# Altium PCB LST_UP.PcbDoc (part 4 of 5)
Units mil, origin at the board's own origin, x right, y up, seen from the top; angles counter-clockwise.
Board outline 4330.71 x 4330.71 mil, 2 copper layers (Top Layer, Bottom Layer), stack 50 mil thick; 469 components, 244 nets, 1341 pads, 130 vias.
Unrouted connection lines stored in the file: 12.
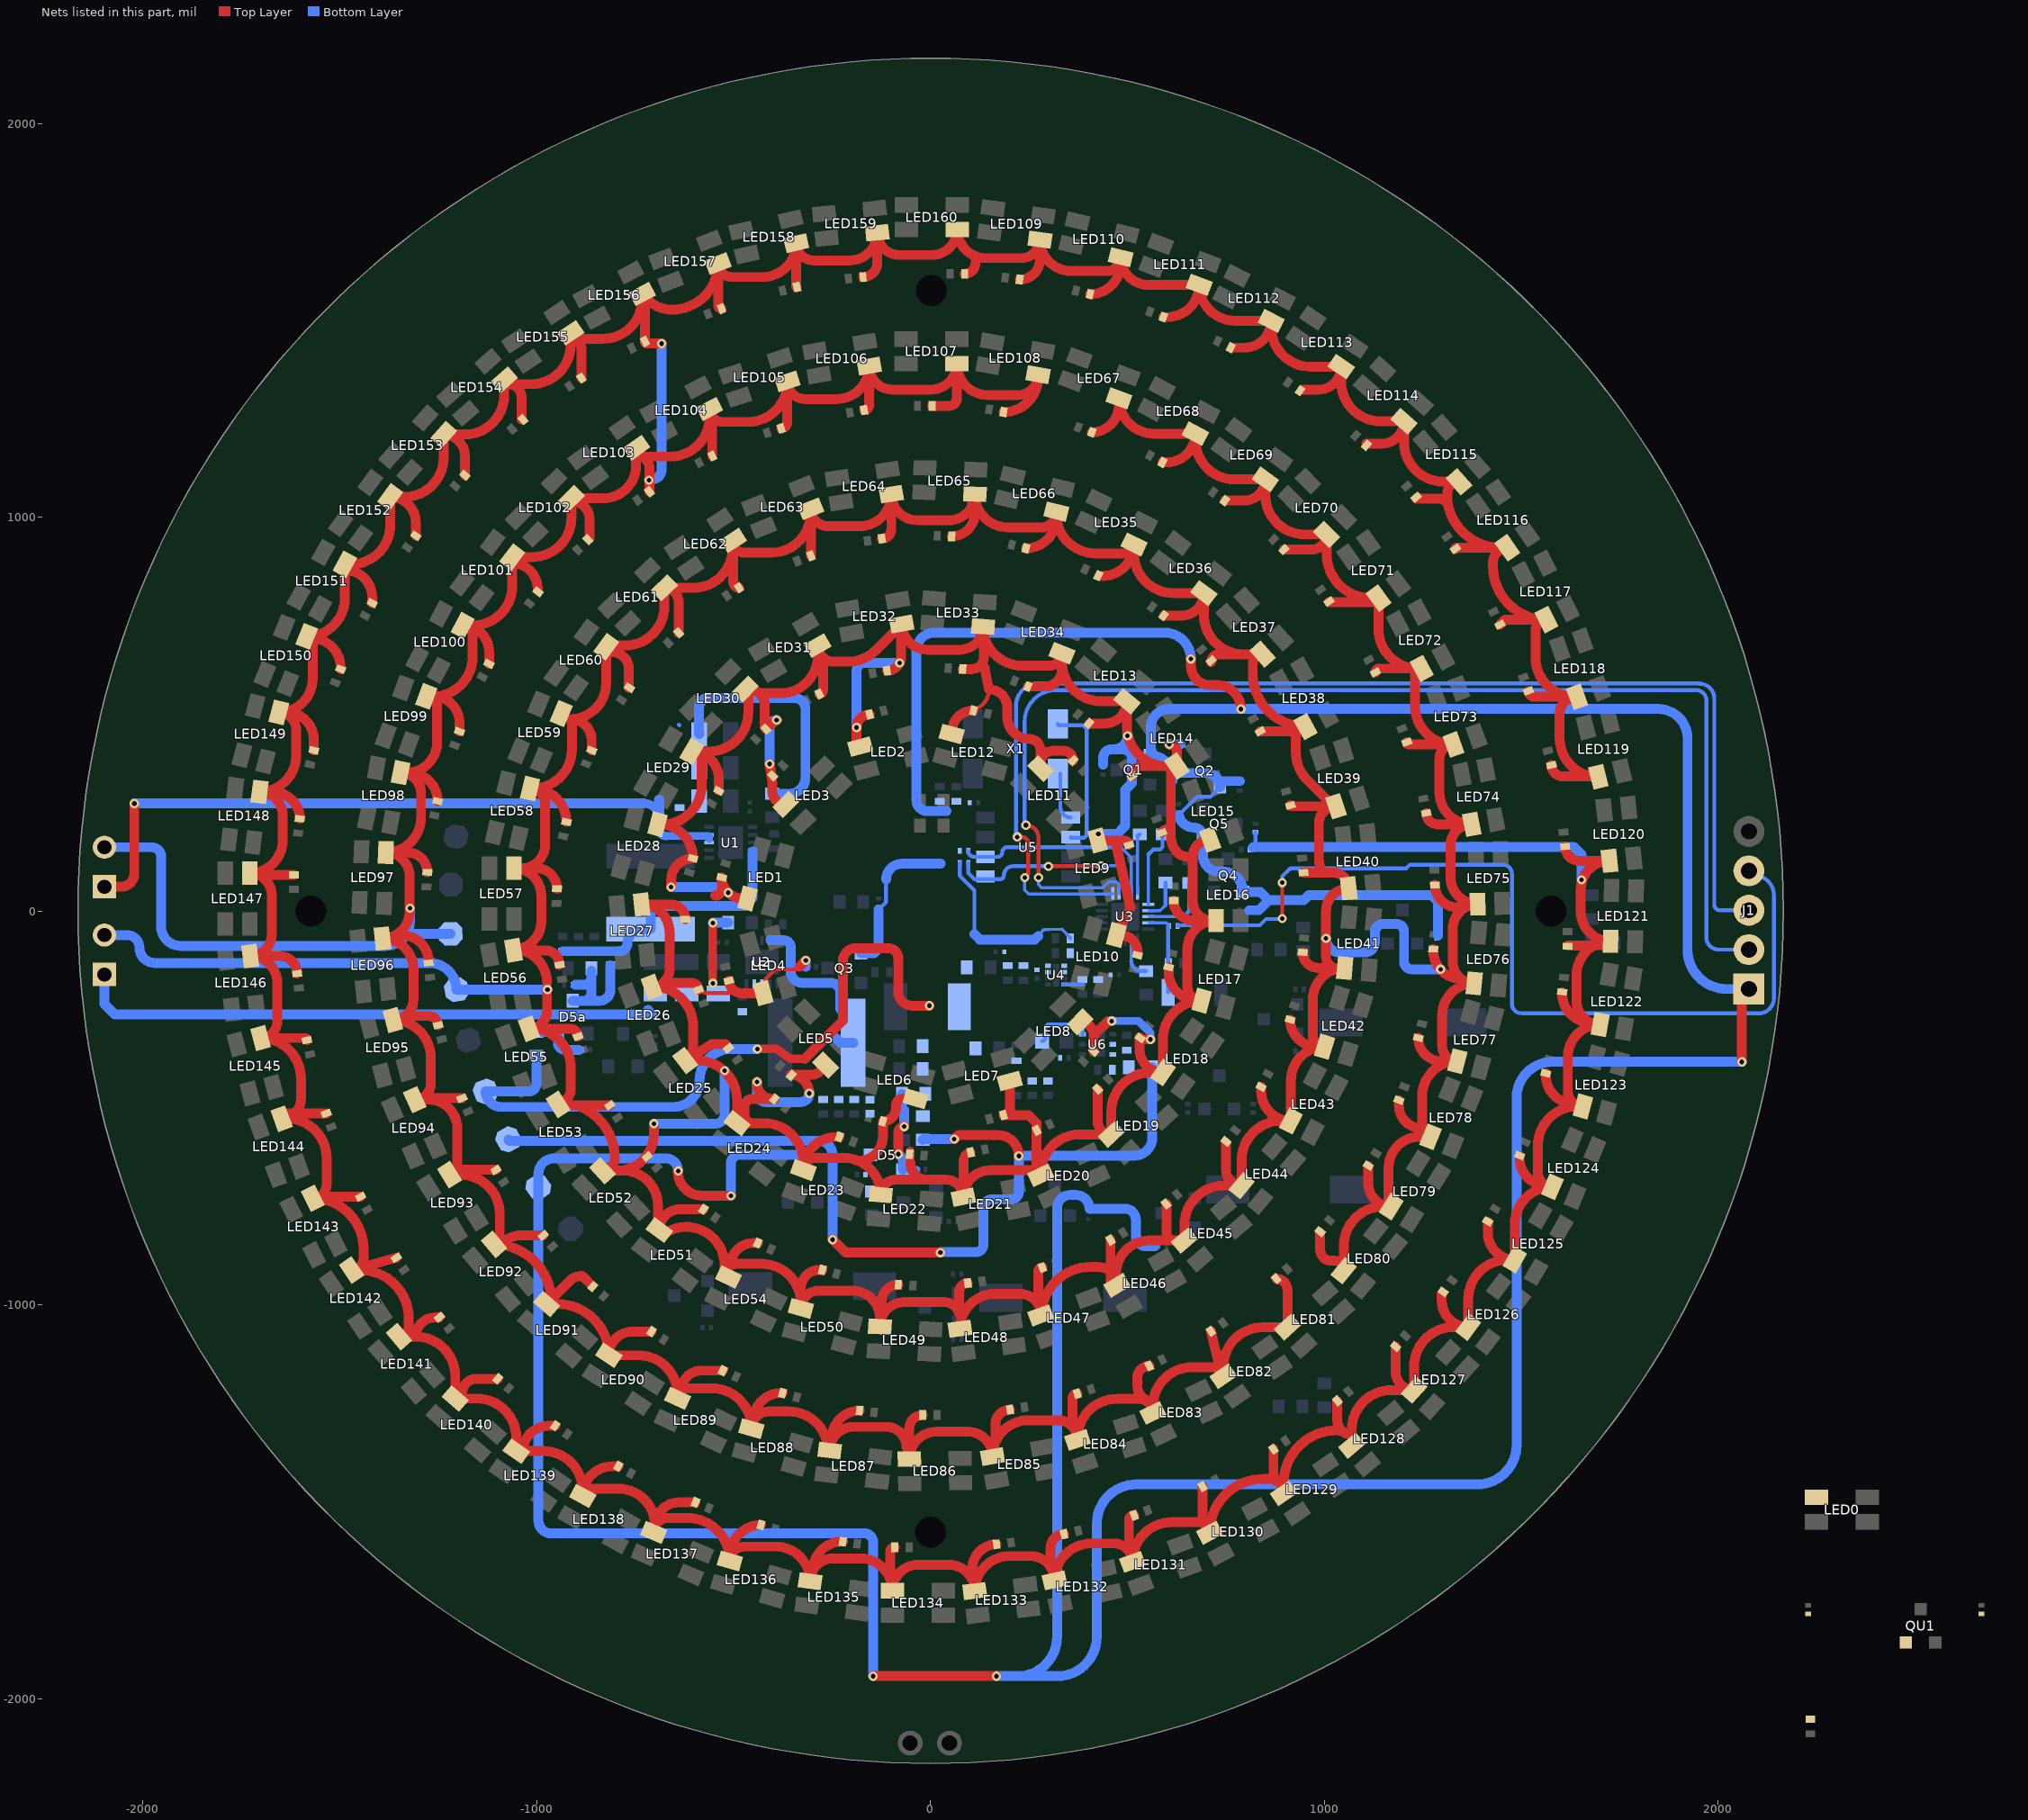
[diagram p4: the nets of this part, all layers, seen from the top]

## Via types
v1: diameter 23.62, hole 11.81, Top Layer to Bottom Layer, tented top, 95 vias
v2: diameter 23.62, hole 11.81, Top Layer to Bottom Layer, 35 vias

## Nets (pads, with @x,y where several pads share a name; then routed paths per layer and width w, separated by ;. In a path a pad name is that pad's centre, name@x,y a point inside that pad or via, vN(x,y) a via of type N, cw(c..) or ccw(c..) an arc to the next point about the centre after c; other vN are vias at no path point) (continued)
NetSB8_1: SB8.1 U3.2 | length 105.4
  Bottom Layer w8: 509.75,-126.86 U3.2@509.75,-73.16
  Bottom Layer w10: 509.75,-126.86 ccw(c535,-126.86) 535,-152.11 SB8.1@547,-152.11
NetSB9_1: SB9.1 U3.15 | length 153.1
  Bottom Layer w8: U3.15@525.5,44.95 SB9.1@525.5,189.39
  Bottom Layer w10: SB9.1@525.5,189.39 cw(c531,189.39) SB9.1@531,194.89
NetSB10_1: SB10.1 U3.16 | length 202.4
  Bottom Layer w8: U3.16@553.06,17.39 553.06,144.06
  Bottom Layer w10: 553.06,144.06 565.39,156.39 582.39,156.39 589,163 SB10.1@589,194.89
NetSB11_1: SB11.1 U3.17 | length 103.6
  Bottom Layer w8: U3.17@555.06,1.64 582.25,1.64 596,15.39
  Bottom Layer w10: 596,15.39 SB11.1@596,72.39
NetSB12_1: SB12.1 U3.18 | length 178.9
  Bottom Layer w8: U3.18@555.06,-14.11 642.5,-14.11
  Bottom Layer w10: 642.5,-14.11 657,0.39 SB12.1@657,71.39
OSC_IN: U5.1 X1.1 | length 126.5
  Bottom Layer w10: X1.1@329.54,349.39 329.54,264.17 ccw(c355.82,264.17) U5.1@355.82,237.89
OSC_OUT: U5.2 X1.4 | length 391.6
  Bottom Layer w10: X1.4@323.54,475.37 ccw(c326.91,475.37) 326.91,472 383,472 cw(c383,459) 396,459 396,196.39 cw(c385.61,196.39) 385.61,186 357.7,186 cw(c357.7,187.89) U5.2@355.82,187.89
RESET: C11.2 R19.1 SW1.1 U3.19 | length 221.8
  Bottom Layer w8: U3.19@555.06,-29.85 598.26,-29.85 R19.1@603.5,-35.1
  Bottom Layer w10: SW1.1@603.07,-206.11 603.5,-205.68 C11.2@603.5,-131.61 R19.1@603.5,-35.1
RESET#: J1.4 R19.2 | length 2364.4
  Top Layer w10: v1(893,-18.61) v1(893,72.39) v1@893,76.39
  Bottom Layer w10: R19.2@626.83,-37.61 628.57,-35.87 835.75,-35.87 851.62,-20 891.61,-20 v1(893,-18.61) ; v1(893,72.39) 893,88.64 912.75,108.39 1207.44,108.39 1217.2,118.15 1452.77,118.15 cw(c1452.77,94.93) 1456,117.93 cw(c1452.77,94.93) 1476,94.93 1476,-234.98 ccw(c1500,-234.98) 1500,-258.98 2109.92,-258.98 ccw(c2103,-221.24) 2141.37,-221.24 2141.37,41.02 ccw(c2092,41.02) J1.4@2092,90.39
RXD: J1.3 U3.11 | length 3173.6
  Top Layer w10: v1@218,188.39 v1(220,188.39) 232,188.39 cw(c232,172.39) 248,172.39 248,98.39 cw(c235,98.39) v1@235,85.39
  Bottom Layer w8: v1(239,85.39) 239,54 249.05,43.95 461.5,43.95 U3.11@462.5,44.95
  Bottom Layer w10: 217,228.23 217,522 cw(c273.39,522) 218.17,533.43 cw(c273.39,522) 261.96,577.22 cw(c273.39,522) 273.39,578.39 1953,578.39 ; v1@218,188.39 217.19,189.2 217.19,227.42 218,228.23 ; 1953,577.39 cw(c1953,540.39) 1990,540.39 1990,16.39 ccw(c2004,16.39) 2004,2.39 J1.3@2078,2.39
SCL: R22.1 U3.14 U5.6 | length 538.8
  Bottom Layer w8: 483,162.63 509.75,135.89 U3.14@509.75,44.95
  Bottom Layer w10: R22.1@95.64,152.89 ccw(c110.64,152.89) 110.64,137.89 U5.6@139.28,137.89 170.5,137.89 ccw(c170.5,149.39) 182,149.39 cw(c195.24,149.39) 195.24,162.63 483,162.63
SDA: R21.1 U3.13 U5.5 | length 504.3
  Top Layer w10: v2(299,114) 432,114 ccw(c432,115) v2(433,115)
  Bottom Layer w8: v2(433,115) 475.8,115 cw(c475.8,96.8) 494,96.8 U3.13@494,44.95
  Bottom Layer w10: R21.1@95.64,122.89 95.64,96.75 111,81.39 176.84,81.39 ccw(c176.84,90.55) 186,90.55 cw(c209.45,90.55) 209.45,114 v2@291,114
TXD: J1.2 U3.12 | length 3193.6
  Top Layer w10: v1@239,218.39 v1(242,218.39) cw(c242,186.39) 274,186.39 v1@274,90.39
  Bottom Layer w8: v1(274,85.39) 274,67.39 281.44,59.95 437.56,59.95 452,74.39 472,74.39 478.25,68.14 U3.12@478.25,44.95
  Bottom Layer w10: v1@239,218.39 239,482 cw(c318.39,482) 239.97,494.36 cw(c318.39,482) 250.23,522.7 cw(c318.39,482) 318.39,561.39 1943.51,561.39 cw(c1943.51,534.9) 1970,534.9 1970,-66.61 ccw(c2001,-66.61) 2001,-97.61 J1.2@2078,-97.61 ; v1(274,85.39) v1@274,90.39
V_BAT: P4.1 SB13.1 SB14.1 SB15.1 SB16.1 SB17.2 SB18.2 SB19.1 SW2.2 | length 1783.6
  Top Layer w22: v2(-440,-350) -390.65,-350 -356,-375 -319.73,-375
  Top Layer w25: -319.73,-375 -223,-278.27 -223,-127 cw(c-190,-127) -190,-94 -108,-94 cw(c-108,-120) -82,-120 -82,-206 ccw(c-48,-206) -48,-240 v2(-3,-240)
  Bottom Layer w25: SB16.1@-1001,-367 -1001,-439.15 cw(c-1019.47,-439.15) -1019.47,-457.61 P4.1@-1130,-457.61 ccw(c-1090.61,-457.61) -1090.61,-497 -653,-497 ccw(c-653,-431) -587.91,-441.94 ccw(c-653,-431) -587,-431 cw(c-506,-431) -561.43,-371.93 cw(c-506,-431) -506,-350 v2(-440,-350)
V_C1: D5.2 R33.2 SB15.2 | length 243
  Top Layer w25: v2@-82,-615.89 -82,-562 cw(c-67,-562) v2(-67,-547)
  Bottom Layer w10: D5.2@-70.13,-656.4 D5.2@-70.13,-656
  Bottom Layer w18: D5.2@-70.13,-656 R33.2@-34.83,-656
  Bottom Layer w25: v2@-81.5,-616.39 -70.13,-627.76 D5.2@-70.13,-656 ; SB15.2@-73,-464 -73,-499 -67,-505 v2(-67,-547)
  other v2: -82,-616.89
V_C2: D5a.2 R34a.2 SB16.2 | length 144
  Bottom Layer w25: SB16.2@-1001,-307 -949.74,-307 cw(c-949.74,-310.34) D5a.2@-946.4,-310.34 -946.4,-334.47 ccw(c-928.87,-334.47) -928.87,-352 -893,-352
V_LED_2: C20.1 C21.1 C22.1 L1.2 L7.2 U1.9 U1.10 | length 693.9
  Bottom Layer w10: C20.1@-934,-101.61 C20.1@-929.72,-105.89
  Bottom Layer w25: C20.1@-934,-101.61 C21.1@-894,-101.61 C22.1@-854,-101.61 -789.68,-101.61 ccw(c-789.68,-81.93) -770,-81.93 cw(c-733.21,-81.93) -733.21,-45.15 L1.2@-711,-45.15 -711,-5 -693,13 -473.39,13 -452.38,34.01 U1.10@-452.38,135.03 U1.9@-452.38,151.71
V_MCU: C23.1 C24.1 L4.2 R20.2 U4.7 U4.8
V_O1: C191.2 D5.3 L6.1 R34.2
V_O2: C192a.2 D5a.3 L7.1 R35a.2 | length 320.6
  Bottom Layer w25: D5a.3@-909,-227.66 -882.78,-227.66 ; -902,-187 -882,-187 ; -878,-187 -880,-187 -882,-187 ; C192a.2@-861,-151 -861,-166 ; L7.1@-813,-137 -813,-199.46 cw(c-841.2,-199.46) -841.2,-227.66 -882.78,-227.66 ; -882.78,-227.66 ccw(c-882.78,-205.88) -861,-205.88 -861,-166 ; -882,-187 ccw(c-882,-166) -861,-166
V_OUT_1: C4.2 C5.2 C6.2 R15.2 R18.1 SB6.1 U2.3 U2.4 | length 1677
  Top Layer w22: v2@-553,-182 v2(-553,-29.85)
  Bottom Layer w10: R15.2@-514.1,-29 R15.2@-514,-29.1
  Bottom Layer w25: SB6.1@-2098,-160.61 -2098,-236 -2072,-262 -707,-262 ; -717,-250.61 -717,-252.61 ccw(c-713,-252.61) -713,-256.61 ; v2(-553,-29.85) -552.25,-29.1 R15.2@-514,-29.1
  other v2: -553,-183
V_OUT_2: C1.2 C2.2 C3.2 R13.2 R17.1 SB5.1 U1.3 U1.4 | length 2512.5
  Top Layer w25: SB5.1@-2098,62.39 -2054.91,62.39 ccw(c-2054.91,95.3) -2022,95.3 v1(-2022,273.39)
  Bottom Layer w10: -639,473.89 ccw(c-637.5,473.89) -637.5,472.39 ; R13.2@-402.5,298.4 ccw(c-394.49,298.4) R13.2@-394.49,290.39
  Bottom Layer w20: -671.71,191.08 -562.62,191.08 -562.62,183
  Bottom Layer w22: -727.39,273.39 cw(c-727.39,235) -689,235 -689,208.37 ccw(c-671.71,208.37) -671.71,191.08
  Bottom Layer w25: v1(-2022,273.39) -727.39,273.39 ; -690,283 cw(c-690,282) -689,282 -689,235 ; C3.2@-587.5,449.4 -588,449.4 -588,518.06 cw(c-565.06,518.06) -565.06,541 -345.2,541 cw(c-345.2,513.8) -318,513.8 -318,339 cw(c-358.6,339) -358.6,298.4 R13.2@-402.5,298.4
V_TR: C14.1 C15.1 C16.1 L5.2 L9.1 R23.2 U6.6 | length 158.3
  Bottom Layer w10: L9.1@283.09,-329.61 ccw(c283.09,-321.7) 291,-321.7 291,-298.61 cw(c302,-298.61) 302,-287.61 378.22,-287.61 cw(c378.22,-295) 385.61,-295 U6.6@385.61,-312.69
V_TR_O: C28.2 C29.2 SB20.1 U6.2 U6.3
VCC: P6.1 SB19.2 SB20.2 | length 2591.2
  Top Layer w10: -6,-867 ccw(c-6,-866) -5,-866
  Top Layer w25: v2(-249,-834) -216,-867 -6,-867 v2(25,-867) ; v1(60,-578.61) 70,-568.61 171.07,-568.61 cw(c171.07,-621.54) v1(224,-621.54)
  Bottom Layer w10: v2(25,-867) cw(c26,-867) v2@26,-866
  Bottom Layer w25: P6.1@-1072,-579.61 ccw(c-1068.61,-579.61) -1068.61,-583 -285,-583 cw(c-285,-619) -249,-619 v2(-249,-834) ; SB19.2@-20,-580.61 -18,-578.61 v1(60,-578.61) ; v2@26,-866 115,-866 ccw(c115,-847) 134,-847 134,-754 cw(c156,-754) 156,-732 205,-732 ccw(c205,-713) 224,-713 v1(224,-621.54) 517.03,-621.54 517.96,-620.61 ccw(c517.96,-575.57) 563,-575.57 SB20.2@563,-396.61
VCC_L1: C30.2 C31.2 C32.2 C33.2 C34.2 C35.2 C36.2 C37.2 C38.2 C39.2 C40.2 C41.2 C42.2 C43.2 C44.2 C45.2 C46.2 C47.2 C48.2 C49.2 C50.2 C51.2 C52.2 C53.2 C54.2 C55.2 C56.2 C57.2 C58.2 C59.2 C60.2 C61.2 C62.2 C63.2 C64.2 C65.2 C66.2 C67.2 C68.2 C69.2 C70.2 C71.2 C72.2 C73.2 C74.2 C75.2 C76.2 C77.2 C78.2 C79.2 C80.2 C81.2 C82.2 C83.2 C84.2 C85.2 C86.2 C87.2 C88.2 C89.2 C90.2 C91.2 C92.2 C93.2 C94.2 C95.2 C96.2 C97.2 C98.2 C99.2 C100.2 C101.2 C102.2 C103.2 C104.2 C105.2 C106.2 C107.2 C108.2 C109.2 C190.2 LED0.1 LED1.1 LED2.1 LED3.1 LED4.1 LED5.1 LED6.1 LED7.1 LED8.1 LED9.1 LED10.1 LED11.1 LED12.1 LED13.1 LED14.1 LED15.1 LED16.1 LED17.1 LED18.1 LED19.1 LED20.1 LED21.1 LED22.1 LED23.1 LED24.1 LED25.1 LED26.1 LED27.1 LED28.1 LED29.1 LED30.1 LED31.1 LED32.1 LED33.1 LED34.1 LED35.1 LED36.1 LED37.1 LED38.1 LED39.1 LED40.1 LED41.1 LED42.1 LED43.1 LED44.1 LED45.1 LED46.1 LED47.1 LED48.1 LED49.1 LED50.1 LED51.1 LED52.1 LED53.1 LED54.1 LED55.1 LED56.1 LED57.1 LED58.1 LED59.1 LED60.1 LED61.1 LED62.1 LED63.1 LED64.1 LED65.1 LED66.1 LED67.1 LED68.1 LED69.1 LED70.1 LED71.1 LED72.1 LED73.1 LED74.1 LED75.1 LED76.1 LED77.1 LED78.1 LED79.1 LED80.1 P1.1 R1.1 R3.1 R5.1 RU1.1 SB6.2 | length 31177.3
  Top Layer w10: C55.2@-589.63,-199.34 ccw(c-569.66,-179.37) -569.66,-207.61 -507.99,-207.61 ccw(c-507.99,-192.53) -497.33,-203.19 ; LED4.1@-418.92,-208.03 -418.92,-172.53 -402.34,-155.96 ; -402.3,-155.96 -394.34,-148 -340.39,-148 -334,-141.61 ; 94.95,509.71 ccw(c94.95,563.08) 148.32,563.08
  Top Layer w22: -51.43,-639.57 C51.2@-51.43,-609 ; 83.38,-630.98 cw(c101.9,-630.98) C50.2@101.9,-612.46
  Top Layer w25: LED56.1@-1059.16,-99.64 -1036.76,-99.64 ; v2@-974,-199 -974,-252.44 cw(c-1019.86,-252.44) LED55.1@-1019.86,-298.3 LED55.1@-1013.55,-298.3 ; -974,-181.8 ccw(c-1059.16,-181.8) -1036.76,-99.64 ; C86.2@-948.71,56.92 ccw(c-1000.74,56.92) -1000.74,108.96 LED57.1@-1038.43,108.96 ; C85.2@-942.43,-136.17 ccw(c-978.96,-136.17) -978.96,-99.64 -1036.76,-99.64 ; C87.2@-924.68,226.44 ccw(c-1009.54,226.44) -1009.54,311.31 LED58.1@-1011,311.31 ; C84.2@-895.33,-318.23 ccw(c-915.25,-318.23) -915.25,-298.3 LED55.1@-1013.55,-298.3 ; C88.2@-860.77,408.42 -860.77,434.23 ccw(c-914.62,434.23) -914.62,488.08 ; LED60.1@-823.89,671.34 -823.89,578.81 cw(c-914.62,578.81) -914.62,488.08 ; C83.2@-814.61,-492.94 -899.91,-492.94 ; C89.2@-766.18,567.3 -766.18,615.03 ccw(c-809,615.03) -809,657.85 ccw(c-825.75,657.85) -825.75,674.6 -775.95,674.6 ccw(c-775.95,774.6) -675.95,774.6 LED61.1@-675.95,820.87 ; LED26.1@-708.1,-192.19 -703,-192.19 cw(c-703,-292.19) -603,-292.19 -603,-348.2 cw(c-618.66,-348.2) -603.11,-350.04 cw(c-618.66,-348.2) LED25.1@-618.66,-363.86 ; v2(-702.59,-539.69) -702.59,-565.41 cw(c-796,-565.41) -796,-658.82 ; LED28.1@-693.25,220.71 LED28.1@-690,220.71 ; LED51.1@-674,-817.61 cw(c-620.77,-899.57) LED54.1@-525.7,-922.19 ; v1(-659,61.39) -659,78.55 cw(c-603.42,78.55) C57.2@-603.42,134.13 ccw(c-690,134.13) LED28.1@-690,220.71 ; C90.2@-639.69,707.07 -639.69,784.61 ccw(c-675.95,784.61) LED61.1@-675.95,820.87 ; LED25.1@-623.02,-379.33 -556,-337.61 -521,-337.61 ; C56.2@-622.97,-20.14 ccw(c-660.27,-20.14) -660.27,17.17 LED27.1@-733.82,17.17 cw(c-733.82,-53.65) -663,-53.65 -663,-147.08 cw(c-708.1,-147.08) -679.89,-182.27 -606.7,-182.27 cw(c-606.7,-199.34) C55.2@-589.63,-199.34 ; LED25.1@-605,-379.33 -591.73,-379.33 cw(c-591.73,-479.33) -491.73,-479.33 LED24.1@-491.73,-538.35 -452,-538.35 ; C81.2@-576.82,-757 -635.93,-757 ccw(c-635.93,-809.91) LED51.1@-688.85,-809.91 -692.32,-806.44 -692.32,-746.93 ccw(c-780.44,-746.93) -780.44,-658.82 -796,-658.82 ; -547,39.39 ccw(c-547,56.26) -530.13,56.26 C32.2@-530.13,85.52 ccw(c-476.68,85.52) -476.68,32.07 LED1.1@-464.75,32.07 ; C58.2@-538,306.39 -538,336.87 ccw(c-606.56,336.87) LED29.1@-606.56,405.43 ; LED54.1@-521.4,-924.35 cw(c-492.66,-924.35) -507.83,-899.94 ; C33.2@-512,-176.61 ccw(c-480.58,-176.61) -497.33,-203.19 ccw(c-480.58,-176.61) -480.58,-208.03 LED4.1@-425.33,-208.03 ; C91.2@-486.58,821.47 cw(c-486.58,835.79) -500.91,835.79 LED62.1@-500.91,929.69 ; v1(-441,-433.61) ccw(c-441,-434.61) -442,-434.61 ccw(c-399.39,-434.61) C53.2@-399.39,-477.22 ; C80.2@-438.77,-842.79 -450.68,-842.79 ccw(c-450.68,-899.94) -507.83,-899.94 ; C59.2@-420.92,466.51 -420.92,521.93 ccw(c-463.04,521.93) -435.03,553.39 ; C59.2@-418.25,462.47 v1(-391,485.39) ; v1(-409,374) -404.47,343.42 -401.6,323.98 -402.08,305.16 ccw(c-367.65,305.16) LED3.1@-367.65,270.73 LED3.1@-367.65,273.46 ; C53.2@-396.58,-477.22 C53.2@-399.39,-477.22 ; -334,-141.61 -333.61,-141.61 v1(-317,-125) ; v1(-308,-462.61) ccw(c-354.92,-462.61) -354.92,-415.69 -300.93,-415.69 ccw(c-300.93,-390.57) -275.81,-390.57 LED5.1@-266.34,-390.57 ; C92.2@-304,902.39 -304,1010.39 LED63.1@-304.48,1010.39 ; C60.2@-282.52,551.79 ccw(c-282.52,561.05) -273.26,561.05 -273.26,644.38 ; C79.2@-274.87,-911.21 -282.39,-911.21 ccw(c-282.39,-958.62) -329.8,-958.62 -329.8,-985.81 ; C52.2@-231.38,-573.28 -239.02,-573.28 ccw(c-239.02,-657.3) LED23.1@-323.04,-657.3 ; LED2.1@-177.42,417.72 cw(c-177.42,428.3) -188,428.3 v1(-188,466.47) cw(c-154.87,466.47) C30.2@-154.87,499.6 ; -128.22,-1034.61 ccw(c-199.22,-1034.61) -199.22,-963.61 -284.07,-963.61 ccw(c-284.07,-1008.86) LED50.1@-329.32,-1008.86 -329.32,-995.61 ccw(c-429.32,-995.61) -329.8,-985.81 ; C93.2@-123.77,946.28 ccw(c-123.77,970.37) -99.68,970.37 LED64.1@-99.68,1058.77 ; C61.2@-110.63,610.6 ccw(c-110.63,646.23) v1(-78.78,630.28) ; C78.2@-82,-948.61 ccw(c-82,-991.03) -124.42,-991.03 -124.42,-1032.04 cw(c-66.29,-1055.17) -66.29,-992.61 34,-992.61 cw(c34,-1032.61) 72.3,-1021.07 72.3,-966.82 cw(c94.36,-966.82) C77.2@94.36,-944.76 ; v1@-81,631.39 ccw(c-79.89,631.39) -79.89,630.28 v1(-78.78,630.28) ; -51.43,-639.57 ccw(c-9,-639.57) -9,-682 ; LED6.1@-38.29,-476.3 -69.69,-476.3 ccw(c-69.69,-494.61) -88,-494.61 -88,-500.49 cw(c-121.22,-500.49) C35.2@-121.22,-533.71 -121.22,-571.94 cw(c-183.37,-571.94) -183.37,-634.09 ; C94.2@53.49,951.74 ccw(c53.49,1010.7) 112.44,1010.7 LED65.1@112.44,1059.05 ; LED12.1@58,454.46 cw(c53.68,454.46) LED12.1@53.68,450.14 53.68,454.45 cw(c108.95,454.45) C41.2@108.95,509.71 ; LED48.1@74.73,-1060.8 cw(c163.92,-1060.8) 163.92,-971.61 225.83,-971.61 cw(c225.83,-1027.47) 273.41,-998.2 ; C62.2@81.45,614.78 104.51,614.78 ccw(c104.51,645.89) 124.38,621.95 ccw(c104.51,645.89) 135.63,645.89 135.63,701.2 ; 83.38,-630.98 LED21.1@83.38,-726.61 ; 137,618.39 148.32,563.08 cw(c148.32,516.4) 178,552.43 cw(c148.32,516.4) 195,516.4 195,492.39 ccw(c250,492.39) 250,437.39 cw(c250,408.05) 279.34,408.05 LED11.1@279.34,376.45 ; LED7.1@201,-431.61 201,-501.69 cw(c184.87,-501.69) C36.2@184.87,-517.82 248.82,-517.82 269.23,-538.23 C49.2@269.23,-556.43 LED20.1@269.23,-655.32 ; C95.2@242,921.39 ccw(c242,998.51) 319.12,998.51 LED66.1@319.12,1008.39 ; C63.2@247.15,570.46 291,570.46 ccw(c291,612.67) 333.21,612.67 333.21,633.06 ccw(c433.21,633.06) 433.21,533.06 LED13.1@498.47,533.06 ; LED20.1@266.5,-657.87 152.12,-657.87 ccw(c152.12,-726.61) LED21.1@83.38,-726.61 ; LED20.1@279.34,-666.9 cw(c379.34,-666.9) 379.34,-566.9 LED19.1@458.57,-566.9 ; LED11.1@282.77,362.04 LED11.1@279.34,362.04 LED11.1@279.34,376.45 ; C76.2@283.62,-904.94 ccw(c283.62,-915.15) 273.41,-915.15 273.41,-998.2 ; LED66.1@319.12,1014.59 LED66.1@319.12,1012.51 ; LED34.1@333.21,655.36 cw(c301.24,655.36) 301.24,623.39 232.71,623.39 cw(c232.71,722.86) 135.63,701.2 ; C40.2@361.84,382.8 ccw(c337.53,382.8) 337.53,407.11 310,407.11 ccw(c310,376.45) LED11.1@279.34,376.45 ; LED8.1@379.65,-280.95 cw(c379.65,-315.38) 414.08,-315.38 ; C42.2@402.17,476.5 441.91,476.5 ccw(c441.91,533.06) LED13.1@498.47,533.06 ; C96.2@409.38,1216.18 ccw(c409.38,1284.83) 478.04,1284.83 LED67.1@478.04,1302.08 ccw(c567.5,1302.08) 567.5,1212.62 LED68.1@672.41,1212.62 ; C37.2@414.08,-355.53 414.08,-315.38 ; C48.2@423.94,-452.61 423.94,-532.27 ccw(c458.57,-532.27) LED19.1@458.57,-566.9 ; LED9.1@424.41,179.37 492.18,179.37 cw(c492.18,168.13) C39.2@503.42,168.13 ; 436,851.39 436.66,851.39 ccw(c436.66,931.13) LED35.1@516.4,931.13 ; C75.2@456.96,-835.11 456.96,-915.02 ; v1(460,-279) 450.46,-279 414.08,-315.38 ; 469,179.37 507.35,8.95 LED10.1@471.75,-60.72 482.17,-60.72 cw(c482.17,-104.34) C38.2@525.79,-104.34 ; C43.2@511.61,342.5 cw(c537.77,342.5) 537.77,368.66 598.47,368.66 cw(c598.47,468.66) 498.47,468.66 LED13.1@498.47,533.06 ; C47.2@530.39,-320.76 530.39,-350.12 ccw(c589.98,-350.12) LED18.1@589.98,-409.71 ; C47.2@530.92,-321.3 ccw(c535.23,-321.3) 532.39,-324.54 ccw(c535.23,-321.3) 535.23,-325.61 v1(558.39,-325.61) ; C44.2@586.65,199.62 587.87,200.83 cw(c610,178.7) 610,210 ; C97.2@589.33,1139.7 599.5,1139.7 ccw(c599.5,1212.62) LED68.1@672.41,1212.62 ; C65.2@591.77,750.39 636.54,750.39 ccw(c636.54,807.69) LED36.1@693.85,807.69 ; C74.2@598.74,-743.61 598.74,-816.03 ccw(c619,-816.03) LED45.1@619,-836.29 ; C46.2@604.42,-142.35 604.42,-154.81 ccw(c673.75,-154.81) LED17.1@673.75,-224.13 ; v1(606,423.39) cw(c606,403.83) 625.56,403.83 LED14.1@625.56,368.66 ; 610,355 610,210 ; LED14.1@610,368.66 LED14.1@625.56,368.66 ; LED14.1@616,359.1 cw(c625.56,359.1) LED14.1@625.56,368.66 ; C45.2@617,26.89 ccw(c667.63,26.89) 667.63,-23.74 LED16.1@714.07,-23.74 ; LED15.1@709.86,182.08 ccw(c709.86,138.16) 665.94,138.16 ; C66.2@712.38,632.26 cw(c732.72,632.26) 732.72,652.6 793.85,652.6 ; C98.2@748.16,1042.52 796.19,1042.52 ccw(c796.19,1096.28) LED69.1@849.95,1096.28 ; C73.2@750.11,-587.87 750.11,-657.52 ccw(c789.67,-657.52) LED44.1@789.67,-697.08 ; C67.2@836.97,456.21 927.43,456.21 927.43,403.36 ccw(c1027.43,403.36) 956.72,332.65 1023,266.37 916.14,266.37 cw(c916.14,268.8) C68.2@913.72,268.8 ; C72.2@839.31,-445.94 839.31,-456.93 ccw(c915,-456.93) LED43.1@915,-532.61 ; C99.2@897.08,918.05 966.97,918.05 ccw(c966.97,956.74) LED70.1@1005.66,956.74 1005.66,907.05 ccw(c1117.61,907.05) LED71.1@1117.61,795.1 ; C71.2@913,-275.61 ccw(c981.65,-275.61) 981.65,-344.26 LED42.1@1000.38,-344.26 ; C70.2@945,-104.75 ccw(c984.47,-104.75) 984.47,-144.22 1024.52,-144.22 ; C69.2@946.93,97.99 994.96,97.99 ; LED38.1@952.1,468.84 cw(c952.1,602.94) 818,602.94 818,627.51 cw(c843.09,627.51) LED37.1@843.09,652.6 793.85,652.6 ; C109.2@989.36,-816.59 989.36,-859.99 ccw(c1017,-859.99) 1017,-887.63 1024.2,-887.63 cw(c1024.2,-912.82) LED80.1@1049.39,-912.82 1049.39,-849.88 cw(c1149.39,-849.88) 1149.39,-749.88 LED79.1@1169.41,-749.88 ; LED70.1@998.35,956.74 949.95,956.74 cw(c949.95,1056.74) 849.95,1056.74 LED69.1@849.95,1096.28 ; C100.2@1011.87,785.15 1127.46,785.15 ccw(c1127.46,795.1) LED71.1@1137.4,795.1 1137.4,716.19 ccw(c1237.4,716.19) LED72.1@1237.4,616.19 ; LED39.1@1029.37,266.37 ccw(c1029.37,223) 986,223 986,133.74 ccw(c1061.82,133.74) 994.96,97.99 ; 1111.39,-692.87 C108.2@1111.39,-646.99 ; 1111.39,-691.87 ccw(c1169.41,-691.87) LED79.1@1169.41,-749.88 ; C101.2@1129.69,606.06 cw(c1139.82,606.06) 1139.82,616.19 LED72.1@1237.4,616.19 ; C107.2@1189.07,-480.18 1189.07,-492.92 ccw(c1248,-492.92) 1248,-551.85 ; C102.2@1209.33,429.01 ccw(c1215.25,429.01) 1215.25,423.08 LED73.1@1327.86,423.08 ; C106.2@1238.21,-321.8 ccw(c1297.34,-321.8) 1297.34,-380.93 LED77.1@1337.25,-380.93 ; C103.2@1258.53,249.23 ccw(c1287.24,249.23) 1287.24,220.52 LED74.1@1373.94,220.52 ; C105.2@1276.77,-96.14 1276.77,-101.56 ccw(c1346.87,-101.56) 1346.87,-171.66 ; C104.2@1280.65,66.9 ccw(c1338.1,66.9) 1338.1,9.45 1357.82,9.45 ; LED57.1@-1038.43,108.96 ccw(c-1038.43,168.39) -979,168.39 -979,273.13 ccw(c-1017.17,273.13) LED58.1@-1017.17,311.31 LED58.1@-1011,311.31 ; LED57.1@-1038.43,108.96 LED57.1@-1057.9,108.96 cw(c-1057.9,39.66) -988.6,39.66 -988.6,-26.07 cw(c-1059.16,-26.07) -1059.16,-96.64 cw(c-1059.16,-181.8) -1036.76,-99.64 ; LED55.1@-1013.55,-298.3 cw(c-1013.55,-398.3) -913.55,-398.3 -913.55,-453.08 cw(c-946.84,-453.08) -946.84,-486.37 ccw(c-940.27,-486.37) -940.27,-492.94 -899.91,-492.94 ; LED58.1@-1011,311.31 ccw(c-1011,411.31) -911,411.31 -911,474.53 ccw(c-938.14,474.53) -914.62,488.08 ; -899.91,-492.94 cw(c-942.35,-626.73) -802,-626.73 cw(c-834.09,-626.73) -834.09,-658.82 -796,-658.82 ; LED28.1@-690,220.71 -681.08,220.71 ccw(c-681.08,320.71) -581.08,320.71 -581.08,379.94 ccw(c-606.56,379.94) LED29.1@-606.56,405.43 ; LED61.1@-675.95,820.87 -602.91,820.87 ccw(c-602.91,920.87) -502.91,920.87 -502.91,940.47 ccw(c-472.83,940.47) LED62.1@-500.91,929.69 ; LED29.1@-606.56,405.43 -563.04,405.43 ccw(c-563.04,505.43) -463.04,505.43 -463.04,564.05 cw(c-463.04,521.93) -435.03,553.39 ; -507.83,-899.94 cw(c-492.66,-924.35) -492.66,-895.61 -429.32,-895.61 cw(c-429.32,-995.61) -329.8,-985.81 ; LED62.1@-500.91,929.69 ccw(c-472.83,940.47) -472.83,910.39 -404.48,910.39 ccw(c-404.48,1010.39) LED63.1@-304.48,1010.39 ; -452,-538.35 cw(c-452,-517.58) -472.77,-517.58 -472.77,-496.29 cw(c-453.7,-496.29) -453.7,-477.22 C53.2@-399.39,-477.22 ; -452,-538.35 -423.04,-538.35 cw(c-423.04,-638.35) -323.04,-638.35 LED23.1@-323.04,-657.3 ; -435.03,553.39 -381,553.39 ccw(c-381,647.86) -286.53,647.86 LED31.1@-286.53,674.74 ccw(c-245.18,674.74) -273.26,644.38 ; LED23.1@-323.04,-657.3 cw(c-292.35,-657.3) -292.35,-626.61 -220,-626.61 cw(c-220,-720) -183.37,-634.09 ; LED63.1@-304.48,1010.39 LED63.1@-304.48,1021.74 ccw(c-260.13,1021.74) -260.13,977.39 -181.06,977.39 ccw(c-181.06,1058.77) LED64.1@-99.68,1058.77 ; -273.26,644.38 ccw(c-245.18,674.74) -245.18,633.39 -210.02,633.39 ccw(c-210.02,733.39) -139.31,662.68 LED32.1@-73.01,728.97 ; -183.37,-634.09 cw(c-220,-720) -167.3,-642.9 cw(c-220,-720) LED22.1@-126.61,-720 cw(c-88.61,-720) -88.61,-682 -9,-682 ; LED64.1@-99.68,1058.77 ccw(c-33.55,1058.77) -33.55,992.64 46.03,992.64 ccw(c46.03,1059.05) 105.93,1030.38 105.93,1052.54 cw(c112.44,1052.54) LED65.1@112.44,1059.05 ; v1(-78.78,630.28) ccw(c-110.63,646.23) -75,646.23 -75,709.57 ccw(c-168.6,728.97) LED32.1@-73.01,728.97 ; LED32.1@-73.01,728.97 ccw(c-8.08,728.97) -8.08,664.04 74.42,664.04 ccw(c74.42,722.86) LED33.1@133.24,722.86 ccw(c232.71,722.86) 135.63,701.2 ; -9,-682 38.77,-682 cw(c38.77,-726.61) LED21.1@83.38,-726.61 ; LED65.1@112.44,1059.05 ccw(c197.11,1059.05) 197.11,974.39 281,974.39 ccw(c281,1012.51) LED66.1@319.12,1012.51 ; 273.41,-998.2 cw(c225.83,-1027.47) 281.69,-1027.47 cw(c405.55,-1027.47) 405.55,-903.61 426.37,-903.61 cw(c426.37,-950.31) 456.96,-915.02 ; LED66.1@319.12,1008.39 ccw(c419.12,1008.39) 419.12,908.39 493.66,908.39 ccw(c493.66,931.13) LED35.1@516.4,931.13 ; LED66.1@319.12,1008.39 LED66.1@319.12,1012.51 ; 456.96,-915.02 456.96,-934.2 ccw(c473.06,-934.2) LED46.1@473.06,-950.31 cw(c473.06,-948.24) 471,-948.24 471,-920.61 cw(c555.32,-920.61) 555.32,-836.29 LED45.1@619,-836.29 ; LED19.1@458.57,-566.9 458.57,-509.71 cw(c558.57,-509.71) 558.57,-409.71 LED18.1@589.98,-409.71 ; LED35.1@516.4,931.13 516.4,907.69 ccw(c616.4,907.69) 616.4,807.69 LED36.1@693.85,807.69 ; LED18.1@589.98,-409.71 589.98,-325.76 cw(c688.49,-325.76) LED17.1@688.49,-227.24 cw(c688.49,-190.75) LED17.1@673.75,-224.13 ; 610,210 610,189.76 ccw(c668.53,189.76) 627.14,148.38 ccw(c651.81,173.04) 651.81,138.16 665.94,138.16 ; LED45.1@619,-836.29 LED45.1@644.55,-836.29 644.55,-797.08 cw(c744.55,-797.08) 744.55,-697.08 LED44.1@789.67,-697.08 ; 665.94,138.16 665.94,24.39 ccw(c714.07,24.39) 669.31,6.69 ccw(c714.07,24.39) LED16.1@714.07,-23.74 ; LED68.1@672.41,1212.62 672.41,1196.28 ccw(c772.41,1196.28) 772.41,1096.28 LED69.1@849.95,1096.28 ; LED17.1@673.75,-224.13 cw(c688.49,-190.75) 652,-190.75 652,-96.54 cw(c724.8,-96.54) LED16.1@724.8,-23.74 LED16.1@714.07,-23.74 ; LED36.1@693.85,807.69 693.85,752.6 ccw(c793.85,752.6) 793.85,652.6 ; LED44.1@789.67,-697.08 789.67,-632.61 cw(c889.67,-632.61) 889.67,-532.61 LED43.1@915,-532.61 ; LED43.1@915,-532.61 915,-429.64 cw(c1000.38,-429.64) LED42.1@1000.38,-344.26 ; 994.96,97.99 1021.75,97.99 cw(c1021.75,57.93) LED40.1@1061.82,57.93 ccw(c1061.82,0.11) 1004,0.11 v1(1004,-69.15) 1004,-115.25 ccw(c1034.7,-115.25) 1024.52,-144.22 ; LED42.1@1000.38,-344.26 cw(c1000.38,-314.25) 970.37,-314.25 970.37,-225.24 cw(c1051.39,-225.24) 1034.7,-145.96 cw(c1034.7,-115.25) 1024.52,-144.22 ; LED79.1@1169.41,-749.88 cw(c1169.41,-743.48) 1163,-743.48 1163,-651.61 cw(c1241.79,-651.61) 1241.79,-572.82 LED78.1@1268.98,-572.82 cw(c1268.98,-551.85) 1248,-551.85 ; LED72.1@1237.4,616.19 LED72.1@1247.08,616.19 ccw(c1247.08,599.11) 1230,599.11 1230,520.94 ccw(c1327.86,520.94) LED73.1@1327.86,423.08 ; 1248,-551.85 1248,-470.17 cw(c1337.25,-470.17) LED77.1@1337.25,-380.93 ; LED73.1@1327.86,423.08 ccw(c1327.86,387.22) 1292,387.22 1292,302.46 ccw(c1373.94,302.46) LED74.1@1373.94,220.52 ; LED77.1@1337.25,-380.93 cw(c1337.25,-342.68) 1299,-342.68 1299,-264.61 cw(c1380.39,-264.61) LED76.1@1380.39,-183.22 cw(c1380.39,-128.83) 1346.87,-171.67 ; 1346.87,-171.67 cw(c1380.39,-128.83) 1326,-128.83 1326,-45.39 cw(c1389.17,-45.39) 1357.82,9.45 ; 1357.82,9.45 cw(c1389.17,-45.39) LED75.1@1389.17,17.78 cw(c1389.17,86.95) 1320,86.95 1320,166.58 cw(c1373.94,166.58) LED74.1@1373.94,220.52